# KiCad board Panel2.kicad_pcb (continued)
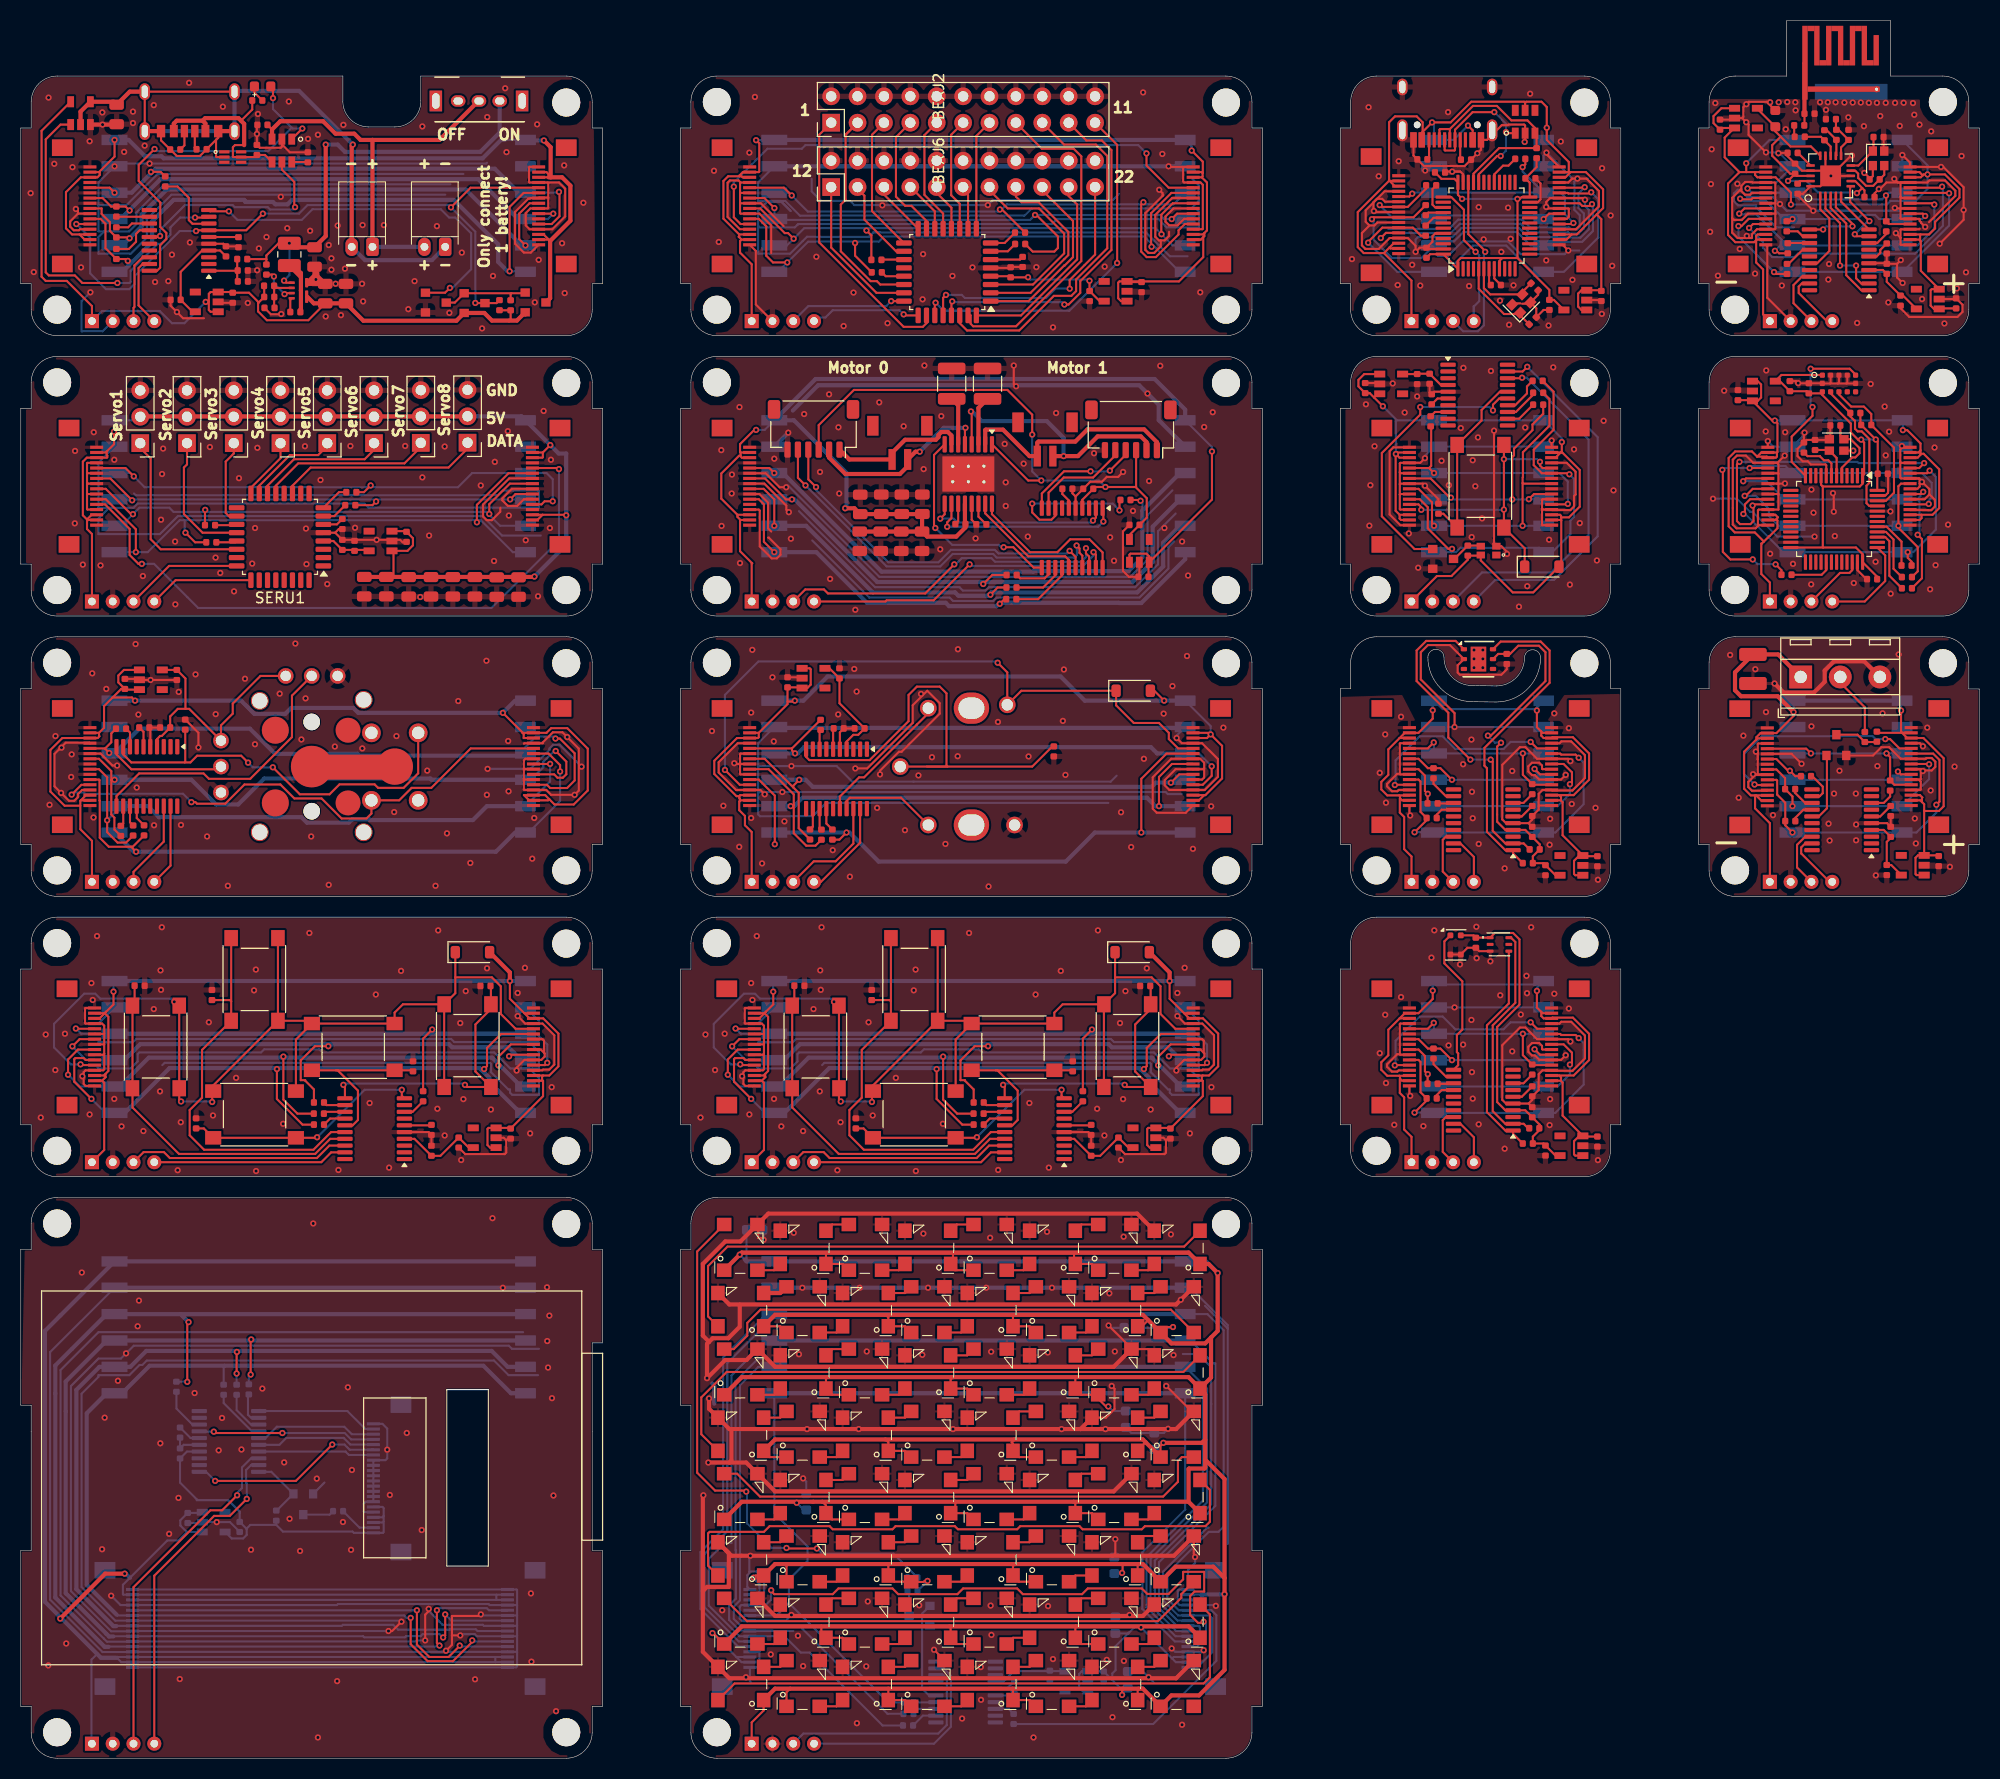
[diagram p0: board, top side]
## Routing (per net, layer and track width the routed paths; a pad name or vN(x,y) marks a point on that pad's centre or on a via; arc(x,y) is an arc through that point) (continued)
  Bottom w0.4: DIAJ3.2 72.61,99.22 111.99,99.22 DIAJ5.5
  vias: v1(66.53,98.92) v1(67.62,91.72) v1(69.15,87.78) v1(70.3,100.7) v1(70.3,90.55) v1(70.41,106.74) v1(71.35,86.17) v1(72.35,104.1) v1(72.47,97.92) v1(73.5,90.22) v1(78.15,87.45) v1(78.67,100.53) v1(79.8,84.9) v1(80.22,104.9) v1(80.45,102.72) v1(82.42,91.53) v1(85.1,89.38) v1(86.4,94.65) v1(86.65,102.5) v1(87.7,96.4) v1(89,88.05) v1(90.2,106.8) v1(90.17,96.5) v1(93.15,83.95) v1(94.05,99.8) v1(97,96.47) v1(100.3,99.9) v1(100.4,104.85) v1(100.55,94.7) v1(105.9,91.1) v1(106.88,87.75) v1(108.1,96.25) v1(110,100.6) v1(110.85,103.25) v1(112.25,106.15) v1(112.82,87.58) v1(114.58,91.67) v1(115.75,99.25)
DIA_Interrupt5V: length 64.2
  Top w0.2: v1(94.03,105.5) 94.95,104.58 DIASW7.S1 96.3,102.8 DIAD2.1 105.42,101.4 107.12,99.7 109.55,99.7 110.5,98.75 110.5,98.15 111.4,97.25 DIAJ2.12 ; DIAJ1.12 69.2,93.75 v1(67.78,95.17)
  Bottom w0.2: v1(67.78,95.17) 67.78,102.4 71,105.62 93.9,105.62 v1(94.03,105.5)
DIA_MISO: length 59.6
  Top w0.2: DIAJ2.9 110.8,95.75 109.55,94.5 v1(109.55,91.69) ; DIAR4.2 76.49,87.88 75.6,87.88 74.4,89.08 74.4,91.78 ; v1(74.1,91.69) 74.19,91.78 74.4,91.78 ; 74.4,91.78 74.4,92.83 71.97,95.25 DIAJ1.9
  Bottom w0.4: DIAJ3.5 v1(74.1,91.69) 74.44,91.69 75.25,92.5 108.4,92.5 109.21,91.69 v1(109.55,91.69) DIAJ5.2
DIA_MOSI: length 63.6
  Top w0.2: DIAR2.2 78.79,88.47 v1(79.47,89.15) ; v1(72.58,88.03) 72.58,92.7 71.03,94.25 DIAJ1.11 ; v1(107.85,89.15) 107.85,94.33 110.28,96.75 DIAJ2.11
  Bottom w0.2: DIAJ3.6 72.58,89.1 v1(72.58,88.03)
  Bottom w0.4: DIAJ3.6 v1(79.47,89.15) 79.78,89.15 82.58,86.35 100.58,86.35 103.38,89.15 v1(107.85,89.15) DIAJ5.1
DIA_Net-(U3-NRST): length 2
  Top w0.2: DIAU3.6 78.19,99.12 DIAC1.1
DIA_Net-(U3-PA1): length 1.9
  Top w0.2: DIAR1.1 76.89,98.94 DIAU3.8
DIA_Net-(U3-PA5): length 2.1
  Top w0.2: DIAU3.12 76.24,89.72 DIAR3.1
DIA_Net-(U3-PA6): length 2.1
  Top w0.2: DIAR4.1 76.89,89.6 DIAU3.13
DIA_Net-(U3-PA7): length 2.3
  Top w0.2: DIAR2.1 77.54,90.02 DIAU3.14
DIA_PS: length 54.8
  Top w0.2: v1(74.53,96.77) 74.23,97.07 74.23,97.25 ; 74.23,97.25 DIAR1.2 ; 74.23,97.25 DIAJ1.5 ; DIAJ2.5 113.77,93.75 114.62,94.61 v1(114.62,95.53)
  Bottom w0.2: v1(114.62,95.53) 113.38,96.77 DIAJ5.4
  Bottom w0.4: DIAJ5.4 109.38,96.77 108.77,97.38 75.4,97.38 74.8,96.77 v1(74.53,96.77) DIAJ3.3
DIA_SCLK: length 54.6
  Top w0.2: 74.35,93.5 74.88,92.97 74.88,89.56 DIAR3.2 ; 74.35,93.5 71.6,96.25 DIAJ1.7 ; 74.35,93.5 74.35,93.66 v1(74.92,94.23) ; DIAJ2.7 111.5,94.75 v1(110.7,93.95)
  Bottom w0.4: DIAJ3.4 v1(74.92,94.23) 75.55,94.23 76.22,93.55 108.85,93.55 109.25,93.95 v1(110.7,93.95) 111.8,93.95 DIAJ5.3
DIA_SW1: length 43.7
  Top w0.2: 87.2,95.5 97.35,95.5 99.3,97.44 DIAR5.2 ; DIASW7.S2 89.2,95.5 89.1,95.6 89.1,102.55 88.45,103.2 86.25,103.2 85.45,102.4 85.45,99.88 81.7,96.12 75.9,96.12 75.59,96.44 DIAU3.10
DIA_SWDCLK: length 9.3
  Top w0.2: DIAJ4.4 77.02,84.4 80.79,88.17 DIAU3.19
DIA_SWDIO: length 10.7
  Top w0.2: DIAU3.18 80.14,88.09 78.42,86.38 76.33,86.38 DIAJ4.3
DIA_VDD: length 10.6
  Top w0.2: DIAU2.5 77.83,104.97 DIAC9.1 78.8,101.6 DIAC2.1 80.6,98.56 80.13,98.56 79.49,97.91 DIAU3.4
DIS_5V: length 70.4
  Top w0.2: DISJ5.14 168.88,119.75 169.12,119.5 168.88,119.25 DISJ5.15 169.03,119.25 169.08,119.2 169.08,118.45 168.32,117.7 168.3,117.7 167.78,117.17 ; DISU2.1 167.18,132.62 167.5,132.3 167.5,131.05 167.18,130.72 DISU2.3 ; 182.85,125.95 182.65,125.75 DISJ3.15 ; 182.85,125.95 182.85,126.62 181.57,127.9 v1(181.15,127.9) ; 182.85,125.95 182.85,125.62 ; DISJ3.3 182.95,119.75 ; 182.95,119.75 184.01,119.75 184.65,120.39 184.65,124.12 183.15,125.62 182.85,125.62 ; 182.95,119.75 182.95,119.42 182.78,119.25 DISJ3.2 ; DISJ3.14 182.57,125.25 182.85,125.53 182.85,125.62 ; 167.12,125.35 166.62,125.85 165.01,125.85 164.38,125.22 164.38,118.64 164.97,118.05 166.9,118.05 167.78,117.17 ; 167.12,125.35 167.53,125.75 DISJ5.2 169.03,125.75 ; 167.12,125.35 168.06,125.35 DISJ5.3 168.93,125.25 169.03,125.35 169.03,125.75 ; DISU2.3 166.61,130.78 DISC8.1 ; DISU2.3 168.57,128.82 v1(168.82,128.82) 169.08,128.57 169.08,125.8 169.03,125.75 ; 167.78,117.17 167.57,116.97 167.53,116.97 167.53,114.05 168.35,113.22 DISJ4.1
  Bottom w0.2: v1(181.15,127.9) 181.15,128.78 DISJ2.6 DISJ1.1 170.5,128.82 v1(168.82,128.82)
DIS_GND: length 91.4
  Top w0.2: DISC9.2 170.88,132.62 v1(171.07,132.43) 171.09,132.41 DISC3.2 173.38,132.41 DISU1.12 174.15,132.39 ; 182.77,122.75 182.77,122.47 182.55,122.25 DISJ3.8 ; 182.77,122.75 183.05,122.75 183.07,122.78 183.15,122.78 183.71,122.21 183.71,121.71 ; 182.77,122.75 182.77,123.2 182.72,123.25 DISJ3.10 ; DISJ5.6 169.12,123.75 169.18,123.7 ; DISJ5.10 169.1,121.75 169.18,121.67 ; 169.18,122.72 169.18,123.7 ; 169.18,122.72 169.18,121.67 ; 169.18,122.72 169.15,122.75 169.03,122.75 ; 169.18,123.7 169.18,124.6 169.03,124.75 DISJ5.4 ; DISJ5.8 169.03,122.75 ; 169.03,122.75 169.78,122.75 v1(169.8,122.77) ; DISJ3.10 180.97,123.25 180.9,123.32 180.9,124.82 ; DISJ3.10 182.65,123.25 v1(182.98,122.93) ; v1(174.43,121.83) 174.5,121.75 v1(174.5,120.05) ; 180.9,124.82 180.9,126.05 181.1,126.25 DISJ3.16 181.17,126.25 v1(181.05,126.37) ; 180.9,124.82 180.97,124.75 DISJ3.13 ; 183.71,121.71 183.25,121.25 DISJ3.6 ; 183.71,121.71 184.24,121.19 184.24,120.55 183.89,120.2 183.58,120.2 183.57,120.2 181.9,120.2 DISJ3.4 ; 174.9,132.39 175.72,132.39 ; 174.9,132.39 175,132.49 DISU1.3 ; 174.9,132.39 174.15,132.39 ; 175.72,132.39 175.8,132.47 DISU1.4 ; 175.72,132.39 DISU1.6 ; DISJ5.4 166.75,124.75 166.05,125.45 165.18,125.45 164.78,125.06 164.78,118.81 165.14,118.45 166.98,118.45 167.28,118.75 ; DISJ5.4 169.07,124.75 v1(169.78,125.45) ; 167.28,118.75 167.2,118.83 167.2,120.17 167.28,120.25 DISJ5.13 169.18,120.25 169.18,121.67 ; 167.28,118.75 DISJ5.16 ; DISC11.1 171.88,126.96 DISC7.1 174.01,126.96 DISY1.2 174.16,127.12 DISC6.1 ; DISC11.1 171,126.09 171,125.4 171.51,124.9 172,124.9 172.3,124.6 173.7,124.6 173.78,124.53 DISU3.8 ; DISC11.1 171.62,127.6 v1(171.69,127.66) ; DISC5.2 177.64,113.55 176.78,114.42 DISU3.35 ; DISJ5.1 168.16,126.84 v1(168.15,126.85) ; DISU1.2 174.2,132.44 174.15,132.39 ; DISC4.2 179.72,123.67 179.72,121.87 179.46,121.6 DISU3.47 ; 175.47,125.92 v1(176.38,125.92)
  Bottom w0.2: DISJ1.2 171.69,127.47 v1(171.69,127.66) ; DISJ1.2 168.69,126.31 v1(168.15,126.85) ; DISJ1.2 169.78,125.56 v1(169.78,125.45) ; v1(162.88,121.3) 165.18,121.3 166.44,120.04 166.68,120.04 169.06,117.65 v1(172.65,117.65)
  vias: v1(163.95,131.7) v1(167.95,127.78) v1(168,133.65) v1(168.38,116) v1(169.82,127.7) v1(170.57,115.03) v1(172.35,122.17) v1(172.32,113.05) v1(172.55,119.95) v1(174.6,117.7) v1(176.43,113.17) v1(178.05,132.35) v1(178.53,115.22) v1(179.4,130.18) v1(179.5,125.47) v1(179.82,127.75) v1(179.95,120.08) v1(179.97,112.15) v1(183.78,112.58) v1(184.2,126.22) v1(184.3,114.9) v1(185.5,118.8)
DIS_Interrupt5V: length 30.2
  Top w0.2: DISJ5.12 166.8,120.75 v1(166.69,120.64) 166.78,120.55 166.78,119.15 166.47,118.85 165.47,118.85 165.18,119.14 165.18,124.61 v1(165.43,124.85) ; DISJ3.12 182.72,124.25 v1(183.2,124.72)
  Bottom w0.2: v1(165.43,124.85) 176.78,124.85 176.9,124.72 v1(183.2,124.72) ; 166.57,120.53 v1(166.69,120.64)
DIS_MISO: length 30.9
  Top w0.2: DISJ5.9 166.7,122.25 166.02,121.57 v1(165.93,121.57) ; DISR8.2 182.59,114.31 182.59,116.63 180.72,118.5 v1(180.72,118.69) 180.72,122.5 180.97,122.75 DISJ3.9
  Bottom w0.2: v1(165.93,121.57) 167,121.57 167.5,121.08 167.28,121.3 168.25,120.33 168.25,119.62 169.19,118.69 DISJ1.5 DISJ2.2
DIS_MISO_UC: length 5.8
  Top w0.2: DISU3.40 179.52,118.1 180.25,117.37 180.25,114.56 181.06,113.75
DIS_MOSI: length 33.1
  Top w0.2: DISJ3.11 183.47,123.75 v1(183.72,124) ; 165.95,119.85 165.95,120.75 166.45,121.25 DISJ5.11 ; v1(181.62,116.15) 181.62,115.6 181.99,115.23 DISR9.2
  Bottom w0.2: v1(165.8,119.83) 165.82,119.85 165.95,119.85 169.65,116.15 DISJ1.6 DISJ2.1 ; v1(181.62,116.15) 182.15,116.15 184.32,118.33 184.32,123.4 v1(183.72,124)
DIS_MOSI_UC: length 5.2
  Top w0.2: DISR9.1 181.02,117.17 179.59,118.6 DISU3.41
DIS_Net-(U3-NRST): length 4.3
  Top w0.2: DISU3.7 174.28,124.7 173.97,125 173.55,125 173.16,125.39 173.16,125.4 171.97,125.4 DISC11.2
DIS_OSC_IN: length 6.9
  Top w0.2: DISC6.2 175.13,127.37 DISY1.1 176.12,127.03 176.97,126.17 176.97,125.68 176.57,125.28 176.27,125.28 175.28,124.28 DISU3.5
DIS_OSC_OUT: length 4.1
  Top w0.2: DISC7.2 174.01,125.99 174.78,125.22 DISU3.6
DIS_PS: length 41.5
  Top w0.2: v1(168.9,114.97) 169.47,114.41 DISR10.2 ; v1(183.64,120.8) 183.59,120.75 DISJ3.5 ; DISJ5.5 166.3,124.25 ; v1(163.78,124.08) 163.82,124.03 163.82,116.17 164.55,115.45 v1(166.7,115.45)
  Bottom w0.2: v1(183.64,120.8) 183.64,121.11 183.93,121.4 183.93,122.83 182.98,123.77 DISJ2.4 DISJ1.3 169.84,124.45 166.6,124.45 v1(166.4,124.25) 163.95,124.25 v1(163.78,124.08) ; v1(168.9,114.97) 168.88,115 167.15,115 v1(166.7,115.45)
DIS_PS_UC: length 4.3
  Top w0.2: DISR10.1 173.33,113.97 173.78,114.42 DISU3.29
DIS_SCL: length 13.8
  Top w0.2: DISU1.10 174.2,131.44 DISR6.1 176.09,129.22 176.54,128.77 176.54,128.04 176.8,127.78 177.19,127.78 177.93,127.05 177.93,122.83 177.65,122.55 177.65,120.87 177.92,120.6 DISU3.45
DIS_SCLK: length 31.6
  Top w0.2: v1(165.78,122.98) 166.05,123.25 DISJ5.7 ; DISR7.2 182.99,113.63 182.99,117.41 v1(182.57,117.83) ; v1(183.11,121.96) 182.92,121.77 182.92,121.75 DISJ3.7
  Bottom w0.2: 182.53,121.23 182.85,121.55 182.85,121.7 v1(183.11,121.96) ; 182.53,121.23 182.75,121.01 182.75,118 v1(182.57,117.83) ; 182.53,121.23 DISJ2.3 DISJ1.4 169.78,121.23 168.02,122.98 v1(165.78,122.98)
DIS_SCLK_UC: length 6.4
  Top w0.2: 181.06,112.67 179.85,113.88 179.85,117.21 179.46,117.6 DISU3.39
DIS_SDA: length 14.6
  Top w0.2: DISU1.9 175,131.34 176.17,130.17 177.4,130.17 178.11,129.46 DISR5.1 180.29,126.22 180.29,121.87 179.52,121.1 DISU3.46
DIS_SWDCLK: length 9.5
  Top w0.2: DISU3.37 179.45,115.84 179.45,113.37 177.48,111.4 DISJ4.4
DIS_SWDIO: length 5.9
  Top w0.2: DISU3.34 176.28,114.42 176.01,114.15 175.1,114.15 DISJ4.3
DIS_VDD: length 51.3
  Top w0.2: 173.47,116.6 DISU3.24 ; 173.47,116.6 176.63,116.6 177.28,115.96 DISU3.36 178.68,113.79 DISC5.1 ; 173.47,116.6 173.44,116.63 173.44,122.47 ; DISU1.1 173.38,133.22 169.47,133.22 DISU2.5 169.31,132.62 DISC9.1 171.89,131.65 DISC3.1 173.25,131.44 DISU1.11 173.4,131.28 176.15,128.54 176.15,127.68 176.84,126.99 v1(177.14,126.99) 177.42,126.7 177.42,123.66 DISU3.1 177.28,122.74 177.01,122.47 173.44,122.47 ; 173.44,122.47 173.28,122.64 DISU3.9 ; DISU3.48 178.69,123.66 DISC4.1 178.73,126.81 v1(178.54,127) DISR5.2 177.06,128.48 DISR6.2
  Bottom w0.2: v1(177.14,126.99) 178.54,126.99 v1(178.54,127)
DIS_XSHUT: length 16.4
  Top w0.2: v1(172.28,133.81) 176.03,133.81 176.6,133.25 DISU1.5 ; DISU3.12 170.45,124.84 170.45,127.28 172.45,129.28 v1(172.45,130.12)
  Bottom w0.2: v1(172.45,130.12) 172.28,130.3 v1(172.28,133.81)
JOY_5V: length 102.5
  Top w0.2: 48.3,98.75 JOYJ5.15 50.6,98.75 51.05,99.2 52.6,99.2 54.57,97.23 54.57,93.2 53.22,91.85 51.38,91.85 50.86,92.36 ; 48.3,98.75 48.4,98.65 48.4,98.25 JOYJ5.14 ; 48.3,98.75 48.3,98.78 v1(46.4,100.67) ; JOYU2.3 10.09,102.91 JOYC8.1 ; JOYJ2.15 5.78,92.25 ; 5.78,92.25 5.73,92.2 5.73,89.47 6.85,88.35 JOYJ4.1 ; 5.78,92.25 6.28,92.75 JOYJ2.14 ; JOYC8.1 9.39,103.6 9.39,104.27 9.93,104.81 JOYU2.1 ; JOYC8.1 9.66,102.97 8.84,102.16 ; 8.84,102.16 8.02,101.33 8.02,99.23 7.53,98.75 ; 8.84,102.16 10.7,102.16 v1(11,101.85) ; 50.86,92.36 50.48,92.75 JOYJ5.3 48.43,92.75 48.93,92.25 JOYJ5.2 50.75,92.25 50.86,92.36 ; 5.73,91.73 4.22,91.73 2.85,93.1 2.85,97.1 4,98.25 JOYJ2.3 7.4,98.25 7.57,98.42 7.53,98.46 7.53,98.75 ; JOYJ2.2 7.53,98.75
  Bottom w0.4: JOYJ1.1 v1(11,101.85) 21.21,101.85 22.48,100.58 25.45,100.58 26.02,101.15 32.01,101.15 32.48,100.67 v1(46.4,100.67) 47.58,101.85
JOY_BUTTON: length 39.5
  Top w0.2: JOYU3.9 9.86,96.68 10.64,95.9 15.77,95.9 ; 15.77,95.9 16.32,95.9 16.98,96.55 21.21,96.55 v1(21.88,95.88) ; 15.77,95.9 15.83,95.96 JOYR6.2 ; JOYU1.D 38.25,94.85 36.85,93.45 34.39,93.45 34.05,93.79 30.68,93.79 29.72,92.83 26.86,92.83 v1(24.26,95.43)
  Bottom w0.2: v1(24.26,95.43) 22.33,95.43 v1(21.88,95.88)
JOY_GND: length 59.6
  Top w0.2: 3.69,97.16 3.85,97.32 v1(3.92,97.32) ; 3.69,97.16 4.33,97.8 6.61,97.8 JOYJ2.4 ; 3.69,97.16 3.25,96.72 3.25,93.6 v1(3.88,92.97) 4.65,92.2 5.14,92.2 5.5,92.55 5.5,92.83 5.91,93.25 JOYJ2.13 ; JOYC9.2 v1(12.49,103.84) 11.44,103.84 JOYU2.2 11.34,103.94 JOYC8.2 ; 48.42,95.29 48.46,95.25 JOYJ5.8 ; 48.42,95.29 48.42,94.32 ; 48.42,95.29 48.42,96.1 48.57,96.25 JOYJ5.10 ; JOYU3.5 12.46,99.17 JOYC1.2 JOYC2.2 ; JOYR6.1 17.1,98.75 v1(17.1,97.34) ; v1(9.28,95.6) 8.83,95.6 7.68,96.75 JOYJ2.6 ; JOYJ5.4 48.47,93.25 48.42,93.3 48.42,94.32 ; 49.36,97.75 50.23,97.75 50.23,97.82 51.22,98.8 52.14,98.8 v1(52.6,98.34) 53.71,97.23 53.71,93.18 v1(53.3,92.78) 51.04,92.78 50.57,93.25 49.36,93.25 ; 48.42,94.32 48.49,94.25 JOYJ5.6 ; JOYJ5.13 48.47,97.75 48.42,97.7
  Bottom w0.2: v1(53.97,95.49) 51.86,97.6 51.24,97.6 50.88,97.25 50.88,97.11 49.05,95.28 v1(44.93,95.28) ; JOYU1.6 19.74,93.47
  vias: v1(2.77,91.82) v1(3.34,98.44) v1(4.9,96.67) v1(4.85,94.5) v1(6.88,104.48) v1(7,90.6) v1(8.23,102.98) v1(11.05,107.3) v1(11.16,93.48) v1(11.32,100.51) v1(12.83,89.85) v1(15.2,102.69) v1(15.42,89.88) v1(16.82,104.38) v1(17.93,88.77) v1(18.76,100.55) v1(19.93,84.02) v1(21.58,103.96) v1(22.54,97.65) v1(24.92,102.52) v1(26.43,107.35) v1(27.01,98.11) v1(27.41,102.07) v1(27.95,88.77) v1(29.64,84.11) v1(30.23,97.43) v1(32.87,97.25) v1(35.94,91.12) v1(36.16,98.44) v1(39.12,95.11) v1(39.92,84.02) v1(41.02,89.07) v1(42.11,101.81) v1(43.27,86.22) v1(44.82,105.69) v1(44.86,92.78) v1(46.91,97.96) v1(46.95,93.12) v1(49.23,86.63) v1(49.42,90.55)
JOY_HORIZONTAL: length 27.3
  Top w0.2: JOYU1.2 26.1,102.33 26.1,98.34 22.08,94.32 18.11,94.32 17.59,94.84 11.39,94.84 9.21,92.66 JOYU3.11
JOY_Interrupt5V: length 52.7
  Top w0.2: v1(16.43,92.08) 16.81,92.08 16.96,91.92 19.68,91.92 21.53,93.78 24.99,93.78 26.33,92.43 28.95,92.43 30.88,90.5 33.27,90.5 33.75,90.98 JOYU1.A 36.42,92.25 37.62,93.45 39.51,93.45 43.31,97.25 JOYJ5.12 ; v1(4.89,92.8) 5.83,93.74 6.61,93.74
  Bottom w0.2: v1(4.89,92.8) 5.09,93 6.07,93 6.19,92.88 15.62,92.88 v1(16.43,92.08)
JOY_MISO: length 58.7
  Top w0.2: v1(50.94,95.76) 50.93,95.75 49.36,95.75 ; JOYR4.2 10.13,88.18 9.32,88.18 8.31,89.19 v1(8.31,90.33) 8.31,94.47 7.53,95.25 JOYJ2.9
  Bottom w0.2: v1(8.31,90.33) 9.03,91.04 JOYJ1.5 ; v1(50.94,95.76) 50.94,94.06 48.58,91.69
  Bottom w0.4: JOYJ1.5 12.23,91.69 13.3,90.62 27.02,90.62 27.54,90.1 31.57,90.1 31.9,90.42 33.52,90.42 33.59,90.35 43.52,90.35 44.86,91.69 47.58,91.69
JOY_MOSI: length 64.4
  Top w0.2: 10.6,87.78 10.62,87.78 v1(11.1,87.3) ; 10.6,87.78 8.47,87.78 7.6,88.65 7.6,92.2 7.58,92.22 7.58,94.2 7.53,94.25 JOYJ2.11 ; 10.6,87.78 10.78,87.78 JOYR2.2 ; 49.36,96.75 50.8,96.75 51.91,95.64 v1(51.91,95.03)
  Bottom w0.2: 47.58,89.15 48.87,89.15 51.91,92.19 v1(51.91,95.03)
  Bottom w0.4: 47.58,89.15 45.73,87.3 v1(11.1,87.3) 10.88,87.3 JOYJ1.6
JOY_Net-(U3-NRST): length 2
  Top w0.2: JOYC1.1 11.81,98.85 JOYU3.6
JOY_Net-(U3-PA1): length 1.9
  Top w0.2: JOYR1.1 10.51,98.77 JOYU3.8
JOY_Net-(U3-PA5): length 2
  Top w0.2: JOYU3.12 9.86,90.03 JOYR3.1
JOY_Net-(U3-PA6): length 2
  Top w0.2: JOYU3.13 10.51,90.13 JOYR4.1
JOY_Net-(U3-PA7): length 2.1
  Top w0.2: JOYU3.14 11.16,90.54 JOYR2.1
JOY_PS: length 59.5
  Top w0.2: v1(51.46,98.2) 51.89,98.2 53.31,96.78 53.31,94.16 52.58,93.44 50.95,93.44 50.64,93.75 49.36,93.75 ; 9.16,99.15 8.71,98.7 8.71,97.84 8.12,97.25 ; v1(8.51,96.81) 8.12,97.21 8.12,97.25 ; 8.12,97.25 JOYJ2.5 ; 6.57,97.2 6.61,97.24
  Bottom w0.2: 47.96,96.77 49.57,98.38 51.28,98.38 v1(51.46,98.2)
  Bottom w0.4: JOYJ1.3 11.4,99.15 22.05,99.15 24.48,96.73 32.4,96.73 32.58,96.55 48.35,96.55
JOY_SCLK: length 61.6
  Top w0.2: v1(9.03,94.23) 9,94.2 8.71,94.2 ; 8.71,94.2 8.71,90.88 9.01,90.58 9.01,89.44 JOYR3.2 ; 8.71,94.2 8.71,95.07 7.53,96.25 JOYJ2.7 ; 49.36,94.75 51.34,94.75 51.66,94.43 52.17,94.43 52.51,94.76 52.51,95.98 v1(51.48,97)
  Bottom w0.2: 48.58,94.23 49.09,94.23 50.29,95.43 50.29,95.95 51.34,97 v1(51.48,97)
  Bottom w0.4: 48.58,94.23 39.54,94.23 39.42,94.35 23.43,94.35 20.93,91.85 18.79,91.85 16.41,94.23 v1(9.03,94.23)
JOY_SWDCLK: length 7.9
  Top w0.2: JOYU3.19 14.41,85.96 JOYJ4.4
JOY_SWDIO: length 8.5
  Top w0.2: JOYJ4.3 10.85,85.36 13.76,88.28 JOYU3.18
JOY_VDD: length 25.7
  Top w0.2: JOYU1.1 23.07,104.23 20.4,101.56 20.4,100.6 19.27,99.47 JOYU1.4 16.21,101.06 15.85,101.06 ; 15.85,101.06 15.85,103.98 JOYC9.1 JOYU2.5 ; 15.85,101.06 15.11,101.06 14.38,100.33 JOYC2.1 13.57,98.45 13.41,98.45 13.11,98.15 JOYU3.4
JOY_VERTICAL: length 12
  Top w0.2: JOYU3.10 9.21,96.68 10.65,95.24 19.51,95.24 ; JOYU1.5 19.01,95.24
LED_5V: length 83.9
  Top w0.2: LEDJ4.1 168.35,90.05 166.93,91.47 166.93,92.72 ; LEDC8.1 184.53,86.95 LEDU2.3 ; 167.03,92.72 167.53,92.22 LEDJ5.15 ; 167.03,92.72 166.93,92.72 ; 167.03,92.72 LEDJ5.14 ; 182.99,92.09 182.82,92.25 LEDJ7.2 ; 182.99,92.09 183.2,91.88 183.2,91.28 ; 182.99,92.09 182.99,92.49 183.03,92.53 182.8,92.75 LEDJ7.3 ; 167.06,98.12 167.06,98.33 167.45,98.72 LEDJ5.2 168.98,98.72 170.62,100.37 v1(170.62,100.75) ; 167.06,98.12 167.16,98.22 LEDJ5.3 ; 167.06,98.12 165.88,96.94 165.88,93.36 166.51,92.72 166.93,92.72 ; LEDU2.3 182.6,86.95 182.37,86.72 182.37,85.15 182.47,85.05 LEDU2.1 ; LEDU2.3 183.2,91.28 ; 183.2,91.28 183.25,91.22 184.62,91.22 185.07,91.68 185.07,96.3 183.13,98.25 LEDJ7.14 181.57,98.25 180.97,98.85 ; 180.97,98.85 181.07,98.75 LEDJ7.15 178.76,98.75 LEDR7.1 ; 180.97,98.85 v1(180.97,100.9)
  Top w0.4: v1(170.62,100.75) 169.1,102.28 165.57,102.28 165,102.85 165,104.58 LEDC4.1 169.15,106.3 LEDJ2.1
  Bottom w0.2: LEDJ3.6 180.97,101.75 v1(180.97,100.9) ; LEDJ1.1 170.62,101.75 v1(170.62,100.75)
  Bottom w0.4: LEDJ1.1 LEDJ3.6
LED_GND: length 49.3
  Top w0.2: LEDJ5.13 168.06,93.17 166.63,93.17 166.28,93.53 166.28,94.02 166.98,94.72 167.23,94.72 ; 167.23,94.72 167.18,94.78 167.18,96.2 ; 167.23,94.72 LEDJ5.10 166.77,94.72 v1(166.74,94.76) ; LEDQ3.2 178.28,96.57 179.08,97.37 179.82,97.37 180.94,96.25 LEDJ7.10 183.35,96.25 183.43,96.33 183.92,96.33 184.28,95.97 184.28,95.48 183.92,95.12 182.95,95.12 182.88,95.2 ; v1(167,96.94) 167.18,96.76 167.18,96.2 ; LEDJ5.6 170.44,96.72 v1(171.4,95.77) ; 182.88,95.2 182.88,94.3 182.82,94.25 LEDJ7.6 ; 182.88,95.2 182.82,95.25 LEDJ7.8 182.9,95.25 v1(183.07,95.07) ; LEDJ5.4 167.23,97.72 167.18,97.67 167.18,96.2 ; LEDU3.5 179.63,90.05 LEDC2.2 LEDC1.2 ; LEDJ7.13 182.78,97.75 v1(183.08,97.45) ; 182.68,94.25 182.88,94.05 182.88,93.3 182.82,93.25 LEDJ7.4
  Top w0.4: LEDJ2.3 177.44,105.63 174.5,105.63 173.62,104.75 173.62,103.67 172.59,102.63 169.67,102.63 v1(168.8,103.5)
  vias: v1(164.53,106.25) v1(165.35,92.5) v1(165.8,98.47) v1(166.95,104.88) v1(167.97,100.75) v1(168.65,90.83) v1(172.35,99.38) v1(174,90) v1(174.1,88.38) v1(174.53,92.9) v1(175.05,95.1) v1(176.62,92.9) v1(176.65,89.92) v1(176.65,88.4) v1(178.55,85.03) v1(178.7,95.55) v1(179.2,100.62) v1(180.75,106.3) v1(182.3,90.5) v1(182.4,88.1) v1(183.5,99.25) v1(183.82,93.2) v1(185.68,85.85) v1(186.12,95.5)
LED_Interrupt5V: length 21.9
  Top w0.2: LEDJ5.12 166.93,93.72 v1(166.88,93.78) ; v1(179.46,98.15) 179.92,98.15 180.82,97.25 LEDJ7.12
  Bottom w0.2: v1(179.46,98.15) 178.53,98.15 178.25,98.42 167.57,98.42 165.85,96.7 165.85,94.8 v1(166.88,93.78)
LED_LED_DATA: length 6.9
  Top w0.2: LEDU3.15 173.06,90.7 173.84,91.48 173.84,96.53 LEDQ3.1
LED_MISO: length 22.4
  Top w0.2: v1(183.68,95.72) 183.65,95.75 LEDJ7.9 ; v1(170.53,91.69) 170.53,92.62 LEDR4.2 169.81,94.39 168.98,95.22 LEDJ5.9
  Bottom w0.2: v1(170.53,91.69) LEDJ3.2 183.68,94.29 v1(183.68,95.72)
LED_MOSI: length 29.4
  Top w0.2: LEDJ7.11 184.06,96.75 184.68,96.14 184.68,92.12 v1(184.38,91.83) ; LEDJ5.11 168.98,94.22 169.05,94.16 169.05,92.8 169.83,92.02 LEDR2.2 169.83,89.84 v1(170.53,89.15)
  Bottom w0.2: v1(170.53,89.15) LEDJ3.1 182.45,89.15 184.38,91.08 v1(184.38,91.83)
LED_Net-(J2-Pin_2): length 5.9
  Top w0.2: LEDR5.2 177.49,101.21 175.03,103.67
LED_Net-(Q3-D): length 4.2
  Top w0.2: LEDR7.2 178.62,97.86 LEDR5.1 176.78,98.57 LEDQ3.3
LED_Net-(U3-NRST): length 2.3
  Top w0.2: LEDC1.1 178.97,90.7 LEDU3.6
LED_Net-(U3-PA1): length 2.6
  Top w0.2: LEDU3.8 179.31,92 179.93,92.61 LEDR1.1
LED_Net-(U3-PA5): length 3.3
  Top w0.2: LEDR3.1 172.43,94.58 173.44,93.57 173.44,92.94 173.15,92.65 LEDU3.12
LED_Net-(U3-PA6): length 2.4
  Top w0.2: 170.78,93.33 170.78,92.96 171.75,92 LEDU3.13
LED_Net-(U3-PA7): length 2.2
  Top w0.2: LEDR2.1 170.8,90.57 171.58,91.35 LEDU3.14
LED_PS: length 19.9
  Top w0.2: LEDJ7.5 180.34,93.75 LEDR1.2 179.93,96.42 v1(179.57,96.77) ; LEDJ5.5 171.84,97.22 v1(172.3,96.77)
  Bottom w0.2: LEDJ1.3 v1(172.3,96.77) v1(179.57,96.77) LEDJ3.4
LED_SCLK: length 17.8
  Top w0.2: LEDJ7.7 180.95,94.75 v1(180.68,95.03) ; LEDJ5.7 168.98,96.22 170.1,95.1 v1(170.28,95.1) 170.8,94.58 LEDR3.2
  Bottom w0.2: v1(180.68,95.03) 180.68,94.63 LEDJ3.3 LEDJ1.4 170.28,94.48 v1(170.28,95.1)
LED_SWDCLK: length 5.9
  Top w0.2: LEDJ4.4 174.1,84.4 171.37,87.13 171.37,87.72 171.75,88.1 LEDU3.19
LED_SWDIO: length 5.9
  Top w0.2: LEDJ4.3 170.97,85.78 170.97,87.97 171.75,88.75 LEDU3.18
LED_VDD: length 6.8
  Top w0.2: LEDU3.4 179.31,89.4 LEDC2.1 179.98,88.63 179.6,88.25 LEDC9.1 180.03,86.02 LEDU2.5
LIG_5V: length 65.2
  Top w0.2: LIGJ4.1 133.86,59.84 133.15,60.55 133.15,63.65 132.73,64.07 132.73,65.43 ; 132.71,71.25 131.62,70.16 131.62,67.7 130.95,67.03 130.95,66.3 131.53,65.72 132.68,65.72 ; 132.71,71.25 133.21,71.75 LIGJ5.2 134.53,71.75 135.9,73.12 v1(135.9,73.92) ; 132.71,71.25 LIGJ5.3 ; LIGJ5.15 132.95,65.25 132.75,65.45 132.75,65.65 132.68,65.72 ; 146.35,71.87 146.47,71.75 LIGJ3.15 ; 146.35,71.87 145.93,72.3 v1(145.93,73.9) ; 146.35,71.87 146.35,71.48 146.57,71.25 LIGJ3.14 147.42,71.33 149.39,71.33 150.95,69.76 150.95,67.24 149.46,65.75 148.07,65.75 ; 148.07,65.75 148.25,65.58 148.25,65.28 148.22,65.25 ; 148.07,65.75 LIGJ3.3 ; 132.68,65.72 133.63,65.72 LIGJ5.14 ; 148.22,65.25 148.4,65.07 148.4,61.89 LIGU2.3 ; 148.22,65.25 LIGJ3.2 ; LIGU2.3 150.41,59.87 LIGC8.1 ; LIGU2.3 150.01,59.94 149.5,59.42 149.5,58.16 149.62,58.03 LIGU2.1
  Bottom w0.2: v1(135.9,73.92) 135.9,74.72 LIGJ1.1 136.36,74.51 146.24,74.51 LIGJ2.6 145.93,74.2 v1(145.93,73.9)
LIG_GND: length 64.2
  Top w0.2: LIGU4.2 LIGU4.3 139.25,78.05 LIGC3.2 140.38,77.72 LIGU1.3 ; LIGJ5.4 132.78,70.75 132.73,70.7 132.73,67.8 ; 146.1,64.67 146.17,64.75 LIGJ3.1 ; 146.1,64.67 146.1,65.88 146.47,66.25 LIGJ3.4 147.4,66.2 149.35,66.2 150.55,67.4 150.55,69.6 149.22,70.92 148.28,70.92 148.1,70.75 LIGJ3.13 ; 146.1,64.67 146.1,64.36 LIGC1.2 145.48,63.4 145.13,63.05 ; LIGJ5.10 132.78,67.75 132.73,67.8 ; 145.13,63.05 LIGC2.2 ; 145.13,63.05 LIGU3.5 142.95,63.05 142.59,63.41 142.59,68.67 144.29,70.37 144.82,70.37 145.94,69.25 LIGJ3.10 148.93,69.25 v1(149.15,69.03) ; 132.73,67.8 132.47,67.8 131.5,66.83 131.5,66.6 131.97,66.12 132.5,66.12 132.62,66.25 LIGJ5.13 ; LIGJ3.8 146.47,68.25 146.42,68.3 146.42,68.6 146.15,68.88 145.45,68.88 145.1,68.52 145.1,68.03 145.45,67.67 145.73,67.67 146.16,67.25 LIGJ3.6 148.25,67.25 v1(148.7,67.7) ; v1(133.73,63.79) 133.66,63.87 LIGJ5.16
  Bottom w0.2: LIGJ2.5 v1(138,72.31) LIGJ1.2
  vias: v1(130.8,67.9) v1(131.32,71.6) v1(131.4,65.03) v1(132.2,61) v1(132.85,73.3) v1(135,60.88) v1(135.78,77.1) v1(136.05,79.72) v1(137.43,68.65) v1(138.53,76.45) v1(138.82,68.72) v1(139.62,71.1) v1(139.68,66.08) v1(139.75,63.53) v1(140.1,80.08) v1(140.12,77.05) v1(140.32,61.05) v1(141.45,76.75) v1(142.4,73.47) v1(142.82,58.7) v1(143.55,68.08) v1(144.38,71.62) v1(144.93,75.35) v1(144.97,73.67) v1(145.38,80.03) v1(147.2,63.47) v1(147.15,60.97) v1(147.6,73.62) v1(149,72.2) v1(151.8,57.6)
LIG_Interrupt5V: length 20.9
  Top w0.2: v1(132.25,66.72) 132.28,66.75 LIGJ5.12 ; v1(145.32,70.88) 145.95,70.25 LIGJ3.12
  Bottom w0.2: v1(132.25,66.72) 132.32,66.8 132.32,69.1 134.65,71.42 136.85,71.42 138.07,70.2 142.72,70.2 143.4,70.88 v1(145.32,70.88)
LIG_MICROPHONE_ADC: length 14.4
  Top w0.2: LIGU3.11 138.35,66.75 138.35,67.88 138.22,68 138.22,69.65 138.75,70.17 138.75,74.82 137.02,76.55 137.02,78.67 LIGU4.1
LIG_MISO: length 24
  Top w0.2: LIGJ3.9 148.5,68.75 149.3,67.95 149.3,67 v1(149.1,66.8) ; LIGR4.2 135.41,65.86 v1(135.43,65.88) 135.15,66.15 135.15,67.63 134.53,68.25 LIGJ5.9
  Bottom w0.2: v1(135.43,65.88) 135.43,65.29 LIGJ1.5 LIGJ2.2 147.91,64.69 149.1,65.88 v1(149.1,66.8)
LIG_MOSI: length 31.6
  Top w0.2: LIGJ3.11 148.17,69.75 148.27,69.65 149.65,69.65 v1(149.95,69.35) ; v1(134.15,62.17) 135.31,63.34 LIGR2.2 134.72,64.14 134.72,67.06 134.53,67.25 LIGJ5.11
  Bottom w0.2: v1(149.95,69.35) 150.43,68.88 150.43,64.88 147.7,62.15 LIGJ2.1 LIGJ1.6 136,62.17 v1(134.15,62.17)
LIG_Net-(U3-NRST): length 2.3
  Top w0.2: LIGU3.6 144.47,63.7 LIGC1.1
LIG_Net-(U3-PA1): length 2.2
  Top w0.2: LIGR1.1 144.63,65 LIGU3.8
LIG_Net-(U3-PA5): length 3
  Top w0.2: LIGU3.12 137.17,65.65 135.97,66.84 LIGR3.1
LIG_Net-(U3-PA6): length 1.5
  Top w0.2: LIGR4.1 137.85,64.95 LIGU3.13
